# KiCad board [DFR1142]Lite Carrier for LattePanda Mu(V2).kicad_pcb (continued)
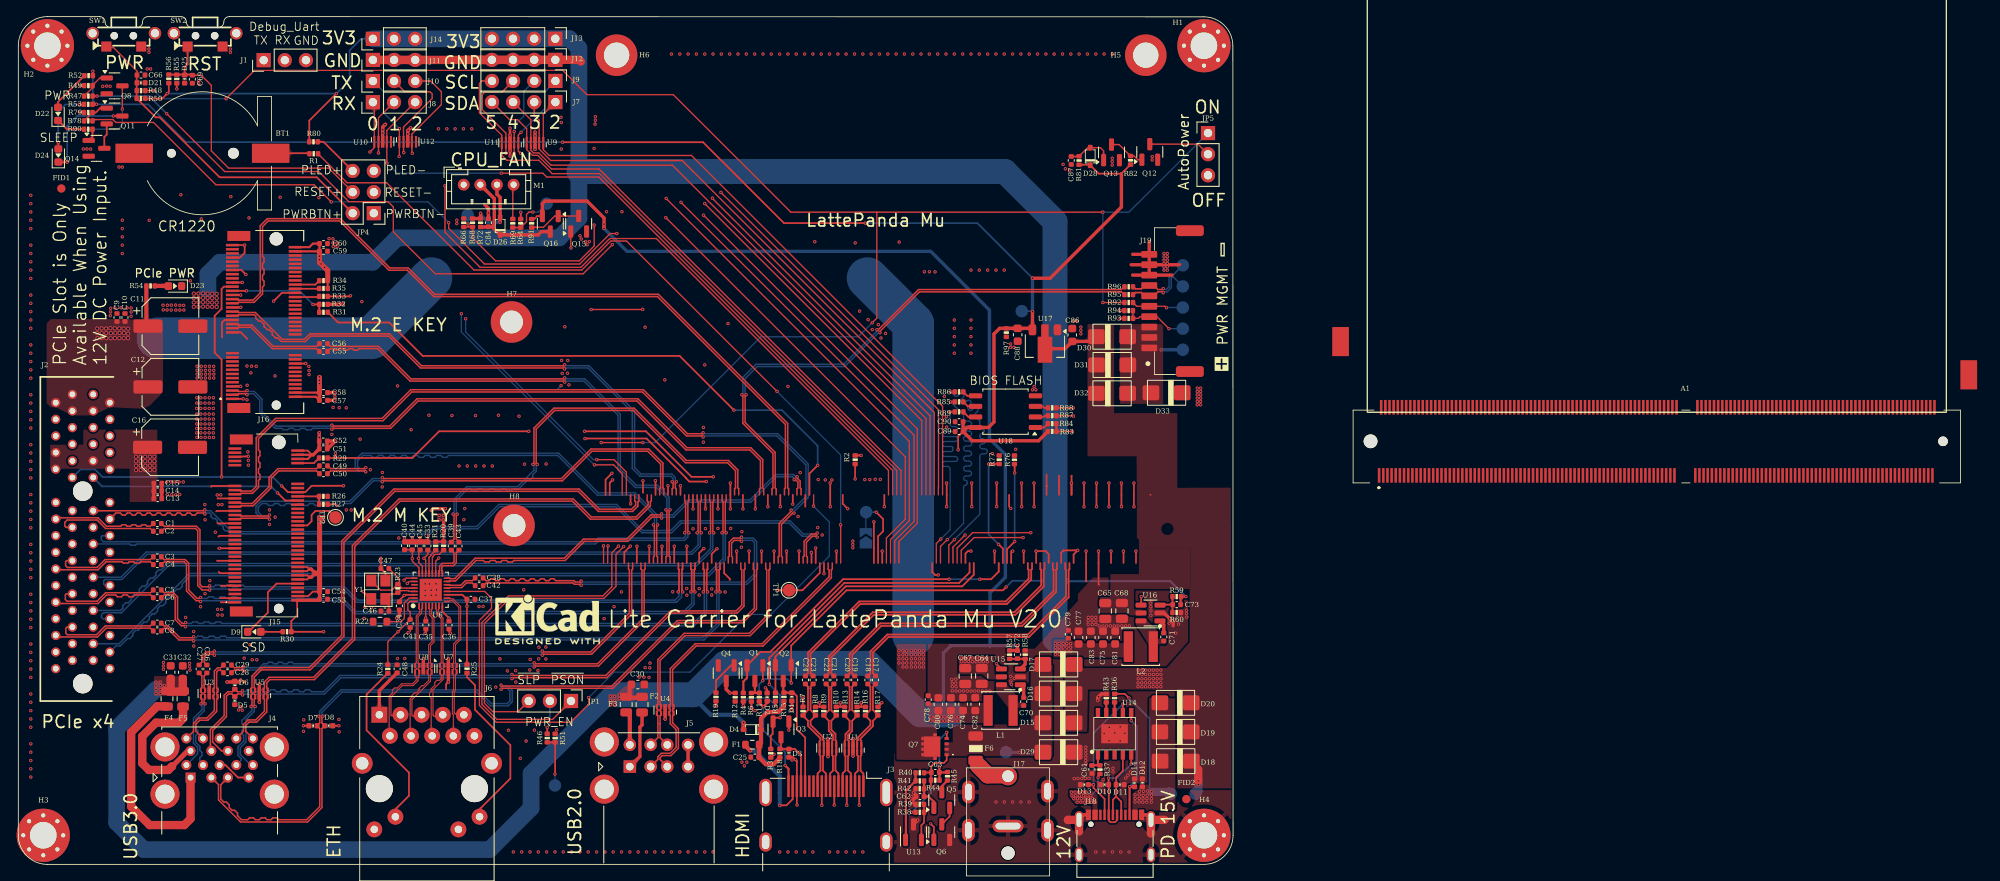
[diagram p0: board, top side]
## Routing (per net, layer and track width the routed paths; a pad name or vN(x,y) marks a point on that pad's centre or on a via; arc(x,y) is an arc through that point) (continued)
/LattePanda Module/HSIO_2_TX-: length 52.8
  Top w0.17: C50.1 37.19,47.01 37.52,47.34 41.65,47.34 v1(41.76,47.23) ; v1(76.84,40.85) 76.72,40.74 76.72,37.1 76.83,36.98 76.83,36.26
  Bottom w0.17: v1(41.76,47.23) 41.65,47.34 40.93,47.34 40.5,47.77 40.5,48.68 41.3,49.48 64.93,49.48 69.7,44.71 74.13,44.71 76.72,42.11 76.72,40.96 v1(76.84,40.85)
/LattePanda Module/HSIO_3_RX+: length 68.3
  Top w0.17: v1(78.58,46.04) 78.7,45.93 78.7,45.3 78.58,45.18 78.58,44.46 ; v1(65.66,59.61) 65.55,59.72 48.34,59.72 44.5,63.56 35.15,63.56 34.49,62.9 31.6,62.9 31.15,63.36 30.89,63.36 30.53,63.72 30.53,63.98 30.16,64.35 29.9,64.35 29.54,64.71 29.54,64.97 29.17,65.34 28.91,65.34 28.55,65.7 28.55,65.96 28.38,66.12 26.47,66.12 26.36,66.01 J16.41
  Bottom w0.17: v1(78.58,46.04) 78.7,46.15 78.7,46.43 78.43,46.69 74.73,46.69 73.79,47.63 73.79,54.41 68.48,59.72 65.77,59.72 v1(65.66,59.61)
/LattePanda Module/HSIO_3_RX-: length 68.3
  Top w0.17: 79.08,44.46 79.08,45.18 78.97,45.3 78.97,45.93 v1(79.09,46.04) ; J16.43 26.36,66.51 26.47,66.4 28.5,66.4 31.72,63.18 34.37,63.18 35.03,63.84 44.62,63.84 48.46,60 65.55,60 v1(65.66,60.11)
  Bottom w0.17: v1(65.66,60.11) 65.77,60 68.59,60 74.07,54.52 74.07,47.75 74.85,46.97 78.55,46.97 78.97,46.54 78.97,46.15 v1(79.09,46.04)
/LattePanda Module/HSIO_3_TX+: length 60.8
  Top w0.17: C55.1 37.19,61.72 37.52,62.05 37.75,62.05 37.93,61.87 38.35,61.87 38.53,62.05 38.95,62.05 39.13,61.87 39.55,61.87 39.73,62.05 40.15,62.05 40.33,61.87 40.75,61.87 40.93,62.05 43.18,62.05 47.08,58.14 65.56,58.14 v1(65.67,58.03) ; v1(77.83,42.66) 77.95,42.55 77.95,37.1 77.83,36.98 77.83,36.26
  Bottom w0.17: v1(77.83,42.66) 77.95,42.77 77.95,44.09 76.68,45.35 74.15,45.35 72.08,47.42 72.08,54.04 67.98,58.14 65.78,58.14 v1(65.67,58.03)
/LattePanda Module/HSIO_3_TX-: length 60.8
  Top w0.17: v1(78.34,42.66) 78.22,42.55 78.22,37.1 78.33,36.98 78.33,36.26 ; C56.1 37.19,62.65 37.52,62.32 43.29,62.32 47.2,58.42 65.56,58.42 v1(65.67,58.53)
  Bottom w0.17: v1(78.34,42.66) 78.22,42.77 78.22,44.2 76.8,45.63 74.27,45.63 72.36,47.54 72.36,54.16 68.1,58.42 65.78,58.42 v1(65.67,58.53)
/LattePanda Module/HSIO_8_RX+: length 77.2
  Top w0.17: 80.08,44.46 80.08,43.73 80.2,43.62 80.2,40 v1(80.08,39.89)
  Bottom w0.17: v1(80.08,39.89) 80.2,39.78 80.2,39.49 79.96,39.26 69.69,39.26 69.26,38.82 10.21,38.82 9.98,39.05 9.98,39.43 10.1,39.55 J2.A16
/LattePanda Module/HSIO_8_RX-: length 77.2
  Top w0.17: v1(80.59,39.89) 80.47,40 80.47,43.62 80.58,43.73 80.58,44.46
  Bottom w0.17: J2.A17 13.38,38.55 13.52,38.41 14.08,38.41 14.22,38.55 69.37,38.55 69.81,38.98 80.08,38.98 80.47,39.38 80.47,39.78 v1(80.59,39.89)
/LattePanda Module/HSIO_8_TX+: length 74.8
  Top w0.17: v1(23,33.51) 22.89,33.4 22.09,33.4 21.84,33.66 21.84,40.25 21.41,40.68 17.55,40.68 17.22,41.01 C1.1
  Top w0.201: 79.33,36.26 79.33,35.53 79.41,35.46 79.41,32.88 v1(79.31,32.78)
  Bottom w0.17: v1(23,33.51) 23.11,33.4 23.5,33.4 23.7,33.6 24.2,33.6 24.4,33.4 24.9,33.4 25.1,33.6 25.6,33.6 25.8,33.4 26.3,33.4 26.5,33.6 27,33.6 27.2,33.4 39.2,33.4 40.8,31.8 78.94,31.8 79.41,32.27 79.41,32.68 v1(79.31,32.78)
/LattePanda Module/HSIO_8_TX-: length 74.8
  Top w0.17: C2.1 17.22,40.08 17.55,40.41 21.3,40.41 21.56,40.14 21.56,33.54 22.09,33.01 v1(23,33.01)
  Top w0.201: v1(79.86,32.78) 79.76,32.88 79.76,35.46 79.83,35.53 79.83,36.26
  Bottom w0.17: v1(79.86,32.78) 79.71,32.63 79.71,32.14 79.16,31.59 79.11,31.59 79.05,31.53 40.69,31.53 39.09,33.13 23.11,33.13 v1(23,33.01)
/LattePanda Module/HSIO_9_RX+: length 80.5
  Top w0.17: 81.58,44.46 81.58,43.73 81.7,43.62 81.7,40 v1(81.58,39.89)
  Bottom w0.17: J2.A21 12.34,34.55 15.37,37.58 80.87,37.58 81.7,38.41 81.7,39.78 v1(81.58,39.89)
/LattePanda Module/HSIO_9_RX-: length 81
  Top w0.17: 82.08,44.46 82.08,43.73 81.97,43.62 81.97,40 v1(82.09,39.89)
  Bottom w0.17: J2.A22 10.41,33.55 10.26,33.7 10.26,34.12 10.42,34.28 12.45,34.28 15.48,37.31 80.98,37.31 81.97,38.3 81.97,39.78 v1(82.09,39.89)
/LattePanda Module/HSIO_9_TX+: length 74.4
  Top w0.17: C3.1 17.22,37 17.55,36.67 20.05,36.67 20.49,36.24 20.49,33.01 21.49,32 21.79,32 v1(21.9,32.11)
  Top w0.201: v1(80.83,32.78) 80.93,32.88 80.93,35.44 80.83,35.53 ; 80.91,35.46 80.83,35.53 ; 80.83,35.53 80.83,36.26
  Bottom w0.17: v1(80.83,32.78) 80.95,32.67 80.95,31.4 79.98,30.43 40.53,30.43 38.96,32 26.4,32 26.22,32.18 25.7,32.18 25.52,32 25,32 24.82,32.18 24.3,32.18 24.12,32 23.6,32 23.42,32.18 22.9,32.18 22.72,32 22.01,32 v1(21.9,32.11)
/LattePanda Module/HSIO_9_TX-: length 74.4
  Top w0.17: v1(21.9,31.61) 21.79,31.73 21.38,31.73 20.21,32.89 20.21,36.13 19.94,36.4 17.55,36.4 17.22,36.07 C4.1
  Top w0.201: 81.33,35.53 81.33,36.26 ; 81.33,35.53 81.26,35.46 ; 81.33,35.53 81.24,35.44 81.24,32.88 v1(81.34,32.78)
  Bottom w0.17: v1(81.34,32.78) 81.22,32.67 81.22,31.29 80.09,30.16 40.42,30.16 38.85,31.73 22.01,31.73 v1(21.9,31.61)
/LattePanda Module/HSIO_10_RX+: length 84.8
  Top w0.17: v1(83.08,39.89) 83.2,40 83.2,43.62 83.08,43.73 83.08,44.46
  Bottom w0.17: v1(83.08,39.89) 83.2,39.78 83.2,37.99 81.41,36.2 17.95,36.2 17.19,35.44 16.87,35.44 16.53,35.11 16.53,34.79 16.2,34.45 15.88,34.45 15.54,34.12 15.54,33.8 15.21,33.46 14.89,33.46 14.55,33.13 14.55,32.81 14.22,32.47 13.9,32.47 13.56,32.14 13.56,31.82 13.23,31.48 12.91,31.48 12.57,31.15 12.57,30.83 12.3,30.55 J2.A25
/LattePanda Module/HSIO_10_RX-: length 84.8
  Top w0.17: v1(83.59,39.89) 83.47,40 83.47,43.62 83.58,43.73 83.58,44.46
  Bottom w0.17: J2.A26 10.17,29.55 10,29.72 10,30.04 10.23,30.27 12.4,30.27 18.06,35.93 81.52,35.93 83.47,37.88 83.47,39.78 v1(83.59,39.89)
/LattePanda Module/HSIO_10_TX+: length 75.7
  Top w0.17: v1(20.1,29.1) 19.99,28.99 19.71,28.99 19.14,29.56 19.14,32.18 18.63,32.69 17.54,32.69 17.21,33.02 C5.1
  Top w0.201: 82.33,36.26 82.33,35.53 ; 82.33,35.53 82.43,35.44 82.43,32.88 v1(82.33,32.78) ; 82.33,35.53 82.41,35.46
  Bottom w0.17: v1(20.1,29.1) 20.21,28.99 20.78,28.99 20.97,29.17 21.48,29.17 21.67,28.99 22.18,28.99 22.37,29.17 22.88,29.17 23.07,28.99 23.58,28.99 23.77,29.17 24.28,29.17 24.47,28.99 81.11,28.99 82.45,30.32 82.45,32.67 v1(82.33,32.78)
/LattePanda Module/HSIO_10_TX-: length 75.7
  Top w0.17: C6.1 17.21,32.09 17.54,32.42 18.51,32.42 18.86,32.07 18.86,29.44 19.59,28.71 19.99,28.71 v1(20.1,28.6)
  Top w0.201: v1(82.84,32.78) 82.74,32.88 82.74,35.44 82.83,35.53 ; 82.83,36.26 82.83,35.53 ; 82.83,35.53 82.76,35.46
  Bottom w0.17: v1(20.1,28.6) 20.21,28.71 81.23,28.71 82.72,30.21 82.72,32.67 v1(82.84,32.78)
/LattePanda Module/HSIO_11_RX+: length 87.8
  Top w0.17: v1(84.58,39.89) 84.7,40 84.7,43.62 84.58,43.73 84.58,44.46
  Bottom w0.17: J2.A29 12.12,26.55 20.57,35.01 82.93,35.01 84.7,36.77 84.7,39.78 v1(84.58,39.89)
/LattePanda Module/HSIO_11_RX-: length 87.8
  Top w0.17: v1(85.09,39.89) 84.97,40 84.97,43.62 85.08,43.73 85.08,44.46
  Bottom w0.17: J2.A30 11.73,26.28 12.23,26.28 13.12,27.16 13.42,27.16 13.76,27.51 13.76,27.81 14.11,28.15 14.41,28.15 14.75,28.5 14.75,28.8 15.1,29.14 15.4,29.14 15.74,29.49 15.74,29.79 16.09,30.13 16.39,30.13 16.73,30.48 16.73,30.78 17.08,31.12 17.38,31.12 17.72,31.47 17.72,31.77 18.07,32.11 18.37,32.11 18.71,32.46 18.71,32.76 19.06,33.1 19.36,33.1 19.7,33.45 19.7,33.75 20.69,34.73 83.05,34.73 84.97,36.66 84.97,39.78 v1(85.09,39.89)
/LattePanda Module/HSIO_11_TX+: length 76.3
  Top w0.17: C7.1 17.21,29.02 17.54,28.69 18,28.69 19.42,27.27 20.96,27.27 v1(21.07,27.39)
  Top w0.201: 83.83,35.53 83.93,35.44 83.93,32.88 v1(83.83,32.78) ; 83.83,35.53 83.83,36.26 ; 83.83,35.53 83.91,35.46
  Bottom w0.17: v1(83.83,32.78) 83.95,32.67 83.95,28.93 82.29,27.27 25.07,27.27 24.89,27.45 24.37,27.45 24.19,27.27 23.67,27.27 23.49,27.45 22.97,27.45 22.79,27.27 22.27,27.27 22.09,27.45 21.57,27.45 21.39,27.27 21.19,27.27 v1(21.07,27.39)
/LattePanda Module/HSIO_11_TX-: length 76.3
  Top w0.17: v1(21.07,26.89) 20.96,27 19.31,27 17.89,28.42 17.54,28.42 17.21,28.09 C8.1
  Top w0.201: 84.33,35.53 84.26,35.46 ; 84.33,35.53 84.33,36.26 ; 84.33,35.53 84.24,35.44 84.24,32.88 v1(84.34,32.78)
  Bottom w0.17: v1(21.07,26.89) 21.19,27 82.4,27 84.22,28.82 84.22,32.67 v1(84.34,32.78)
/LattePanda Module/REFCLK0+: length 94.6
  Top w0.17: v1(92.88,42.62) 92.88,42.46 91.45,41.03 91.45,37.1 91.33,36.98 91.33,36.26 ; v1(82.31,51.43) 82.2,51.54 80.31,51.54 75.02,56.84 47.29,56.84 43.83,53.38 31.03,53.38 28.87,51.22 28.87,49.87 29.05,49.69 29.05,49.17 28.87,48.99 28.87,48.47 29.05,48.29 29.05,47.77 28.87,47.59 28.87,47.07 29.05,46.89 29.05,46.37 28.87,46.19 28.87,45.36 28.15,44.64 26.77,44.64 26.66,44.53 J15.53
  Bottom w0.17: v1(82.31,51.43) 82.42,51.54 91.17,51.54 94.66,48.05 94.66,44.25 93.04,42.62 v1(92.88,42.62)
/LattePanda Module/REFCLK0-: length 94.6
  Top w0.17: v1(93.23,42.27) 93.07,42.27 91.72,40.92 91.72,37.1 91.83,36.98 91.83,36.26 ; v1(82.31,51.93) 82.2,51.82 80.43,51.82 75.13,57.11 47.18,57.11 43.72,53.66 30.91,53.66 28.59,51.34 28.59,45.48 28.03,44.92 26.77,44.92 26.66,45.03 J15.55
  Bottom w0.17: v1(82.31,51.93) 82.42,51.82 91.29,51.82 94.94,48.17 94.94,44.13 93.23,42.43 v1(93.23,42.27)
/LattePanda Module/REFCLK2+: length 96.6
  Top w0.17: 94.33,36.26 94.33,36.98 94.45,37.1 94.45,38.87 95.33,39.76 95.91,39.76 v1(96.02,39.87) ; v1(22.42,42.66) 22.31,42.55 J2.A13
  Bottom w0.17: v1(96.02,39.87) 95.91,39.76 94.34,39.76 92.76,41.34 79.57,41.34 78.4,40.17 75.07,40.17 71.93,43.31 57.74,43.31 55.08,40.65 50.02,40.65 49.41,40.04 25.63,40.04 23.11,42.55 22.53,42.55 v1(22.42,42.66)
/LattePanda Module/REFCLK2-: length 96.6
  Top w0.17: 94.83,36.26 94.83,36.98 94.72,37.1 94.72,38.76 95.45,39.48 95.91,39.48 v1(96.02,39.37) ; J2.A14 11.73,42.28 12.25,42.28 12.5,42.03 12.85,42.03 13.1,42.28 13.45,42.28 13.7,42.03 14.05,42.03 14.3,42.28 14.65,42.28 14.9,42.03 15.25,42.03 15.5,42.28 15.85,42.28 16.1,42.03 16.45,42.03 16.7,42.28 17.05,42.28 17.3,42.03 17.65,42.03 17.9,42.28 18.25,42.28 18.5,42.03 18.85,42.03 19.1,42.28 19.45,42.28 19.7,42.03 20.05,42.03 20.3,42.28 20.65,42.28 20.9,42.03 21.25,42.03 21.5,42.28 22.31,42.28 v1(22.42,42.16)
  Bottom w0.17: v1(96.02,39.37) 95.91,39.48 94.22,39.48 92.64,41.06 79.69,41.06 78.52,39.89 74.95,39.89 71.81,43.03 57.86,43.03 55.2,40.37 50.14,40.37 49.53,39.76 25.51,39.76 25.14,40.13 24.86,40.13 24.64,40.36 24.64,40.64 24.41,40.87 24.13,40.87 23.9,41.1 23.9,41.38 23.67,41.61 23.39,41.61 23.16,41.83 23.16,42.11 23,42.28 22.53,42.28 v1(22.42,42.16)
/LattePanda Module/REFCLK3+: length 94.4
  Top w0.17: 92.08,44.46 92.08,45.18 92.2,45.3 92.2,52.93 76.82,68.31 49.92,68.31 46.75,71.49 44.54,71.49 38.61,77.42 30.04,77.42 29.35,76.73 29.35,73.15 29.53,72.97 29.53,72.45 29.35,72.27 29.35,71.75 29.53,71.57 29.53,71.05 29.35,70.87 29.35,70.35 29.53,70.17 29.53,69.65 29.35,69.47 29.35,68.63 28.34,67.62 26.47,67.62 26.36,67.51 J16.47
/LattePanda Module/REFCLK3-: length 94.4
  Top w0.17: 92.58,44.46 92.58,45.18 92.47,45.3 92.47,53.05 76.94,68.59 50.04,68.59 46.86,71.76 44.65,71.76 38.72,77.69 29.93,77.69 29.08,76.84 29.08,68.74 28.23,67.9 26.47,67.9 26.36,68.01 J16.49
/LattePanda Module/SPI_CLK: length 30.6
  Top w0.15: v1(111.67,39.08) 110.83,38.25 110.83,36.26 ; R85.2 v1(112.04,55.65)
  Bottom w0.15: v1(112.04,55.65) 113.61,54.08 113.61,53.63 arc(113.7,53.42) 113.91,53.33 114.27,53.33 arc(114.48,53.24) 114.57,53.03 arc(114.48,52.82) 114.27,52.73 113.91,52.73 arc(113.7,52.64) 113.61,52.43 arc(113.7,52.22) 113.91,52.13 114.27,52.13 arc(114.48,52.04) 114.57,51.83 arc(114.48,51.62) 114.27,51.53 113.91,51.53 arc(113.7,51.44) 113.61,51.23 arc(113.7,51.02) 113.91,50.93 114.27,50.93 arc(114.48,50.84) 114.57,50.63 arc(114.48,50.42) 114.27,50.33 113.91,50.33 arc(113.7,50.24) 113.61,50.03 arc(113.7,49.82) 113.91,49.73 114.27,49.73 arc(114.48,49.64) 114.57,49.43 arc(114.48,49.22) 114.27,49.13 113.91,49.13 arc(113.7,49.04) 113.61,48.83 arc(113.7,48.62) 113.91,48.53 114.27,48.53 arc(114.48,48.44) 114.57,48.23 arc(114.48,48.02) 114.27,47.93 113.91,47.93 arc(113.7,47.84) 113.61,47.63 arc(113.7,47.42) 113.91,47.33 114.27,47.33 arc(114.48,47.24) 114.57,47.03 arc(114.48,46.82) 114.27,46.73 113.91,46.73 arc(113.7,46.64) 113.61,46.43 arc(113.67,46.28) 113.83,46.21 arc(113.98,46.15) 114.04,46 114.04,45.83 arc(113.98,45.68) 113.83,45.61 arc(113.67,45.55) 113.61,45.4 113.61,41.03 v1(111.67,39.08)
/LattePanda Module/SPI_IO2: length 30.6
  Top w0.15: v1(126.8,54.92) 126.55,54.92 126.54,54.93 R88.2 ; 112.33,36.26 112.33,38.17 v1(113.79,39.63)
  In2.PWR w0.15: v1(113.79,39.63) 115.34,41.18 115.34,50.21 120.05,54.92 v1(126.8,54.92)
/LattePanda Module/SPI_IO3: length 30.6
  Top w0.15: 110.33,36.26 110.33,38.6 v1(110.87,39.14) ; v1(111.99,54.45) R89.2
  Bottom w0.15: v1(111.99,54.45) 111.99,52.98 arc(112.08,52.77) 112.29,52.68 112.6,52.68 arc(112.81,52.59) 112.9,52.38 arc(112.81,52.17) 112.6,52.08 111.38,52.08 arc(111.17,51.99) 111.08,51.78 arc(111.17,51.57) 111.38,51.48 112.6,51.48 arc(112.81,51.39) 112.9,51.18 arc(112.81,50.97) 112.6,50.88 111.38,50.88 arc(111.17,50.79) 111.08,50.58 arc(111.17,50.37) 111.38,50.28 112.16,50.28 arc(112.28,50.23) 112.32,50.11 112.32,49.84 arc(112.28,49.73) 112.16,49.68 111.38,49.68 arc(111.17,49.59) 111.08,49.38 arc(111.17,49.17) 111.38,49.08 112.6,49.08 arc(112.81,48.99) 112.9,48.78 arc(112.81,48.57) 112.6,48.48 111.38,48.48 arc(111.17,48.39) 111.08,48.18 arc(111.17,47.97) 111.38,47.88 111.69,47.88 arc(111.9,47.79) 111.99,47.58 111.99,40.26 v1(110.87,39.14)
/LattePanda Module/SPI_MISO/SPI_IO1: length 31.1
  Top w0.15: v1(121.69,39.91) 114.69,39.91 112.83,38.05 112.83,36.26 ; R87.2 126.77,53.98 v1(126.82,53.93)
  In2.PWR w0.15: v1(126.82,53.93) 127.39,53.36 127.39,50 arc(127.3,49.79) 127.09,49.7 126.93,49.7 arc(126.72,49.61) 126.63,49.4 arc(126.72,49.19) 126.93,49.1 127.09,49.1 arc(127.3,49.01) 127.39,48.8 127.39,45.61 v1(121.69,39.91)
/LattePanda Module/SPI_MOSI/SPI_IO0: length 30.6
  Top w0.15: 111.83,36.26 111.83,38.4 v1(112.52,39.09) ; R86.2 v1(112.06,56.85)
  Bottom w0.15: v1(112.06,56.85) 112.51,56.4 arc(112.72,56.31) 112.94,56.4 113.15,56.61 arc(113.36,56.7) 113.57,56.61 arc(113.66,56.4) 113.57,56.19 113.36,55.97 arc(113.27,55.76) 113.36,55.55 arc(113.57,55.46) 113.78,55.55 114,55.76 arc(114.21,55.85) 114.42,55.76 arc(114.51,55.55) 114.42,55.34 114.21,55.13 arc(114.12,54.91) 114.21,54.7 arc(114.42,54.61) 114.63,54.7 114.85,54.92 arc(115.06,55) 115.27,54.92 arc(115.36,54.7) 115.27,54.49 115.06,54.28 arc(114.97,54.06) 115.06,53.85 115.56,53.35 115.56,52.7 arc(115.64,52.52) 115.82,52.44 arc(116,52.36) 116.08,52.18 116.08,52.1 arc(116,51.92) 115.82,51.84 arc(115.64,51.76) 115.56,51.58 115.56,51.5 arc(115.65,51.29) 115.86,51.2 115.91,51.2 arc(116.13,51.11) 116.21,50.9 arc(116.13,50.69) 115.91,50.6 115.86,50.6 arc(115.65,50.51) 115.56,50.3 arc(115.65,50.09) 115.86,50 116.16,50 arc(116.38,49.91) 116.46,49.7 arc(116.38,49.49) 116.16,49.4 115.86,49.4 arc(115.65,49.31) 115.56,49.1 115.56,42.13 v1(112.52,39.09)
/LattePanda Module/SUSCLK_WIFI: length 100.3
  Top w0.2: v1(39.93,68.42) 39.85,68.34 R33.2 ; 102.83,36.26 102.83,38.09 102.83,38.1 v1(102.83,41.22) ; v1(61.35,52.11) 50.58,52.11 47.37,48.9 38.12,48.9 ; R29.2 38.12,48.9 ; 38.12,48.9 v1(38.12,49.46) ; v1(83.53,46.63) 80.91,46.63 75.43,52.11 v1(68.05,52.11)
  In2.PWR w0.2: v1(38.12,49.46) 38.12,49.59 40.87,52.34 40.87,67.48 v1(39.93,68.42) ; v1(102.83,41.22) 98.74,45.31 84.85,45.31 v1(83.53,46.63) ; v1(61.35,52.11) v1(68.05,52.11)
/LattePanda Module/USB_2_P7+: length 75.3
  Top w0.17: J16.3 26.36,56.51 26.47,56.62 27.38,56.62 v1(27.49,56.51) ; v1(37.69,52.35) 37.8,52.46 44.75,52.46 48.04,55.75 74.36,55.75 80.24,49.86 87.92,49.86 89.2,48.59 89.2,45.3 89.08,45.18 89.08,44.46
  Bottom w0.17: v1(37.69,52.35) 37.58,52.46 35.35,52.46 35.17,52.28 34.65,52.28 34.47,52.46 33.95,52.46 33.77,52.28 33.25,52.28 33.07,52.46 32.55,52.46 32.37,52.28 31.85,52.28 31.67,52.46 30.86,52.46 29.01,54.31 29.01,55.86 28.25,56.62 27.6,56.62 v1(27.49,56.51)
/LattePanda Module/USB_2_P7-: length 75.3
  Top w0.17: J16.5 26.36,57.01 26.47,56.9 27.38,56.9 v1(27.49,57.01) ; 89.58,44.46 89.58,45.18 89.47,45.3 89.47,48.7 88.04,50.14 80.36,50.14 74.47,56.02 47.93,56.02 44.64,52.74 37.8,52.74 v1(37.69,52.85)
  Bottom w0.17: v1(37.69,52.85) 37.58,52.74 30.98,52.74 29.29,54.43 29.29,55.98 28.37,56.9 27.6,56.9 v1(27.49,57.01)
/LattePanda Module/~{CLKREQ3}: length 71.9
  Top w0.2: 95.08,44.46 95.08,47.02 v1(96.07,48.01) ; 37.19,66.45 38.44,65.2 44.58,65.2 48.6,61.18 79.48,61.18 v1(86.01,54.65)
  Bottom w0.2: v1(86.01,54.65) 91.78,54.65 96.07,50.36 v1(96.07,48.01)
/LattePanda Module/~{PWR_SW}: length 220.8
  Top w0.15: v1(102.62,65.16) 103.18,65.72 103.18,78.45 103.2,78.47 ; R48.2 v1(16.29,93.1) ; R92.1 v1(130.35,67.6) ; v1(130.35,78.47) 103.2,78.47 ; 103.2,78.47 92.86,78.47 78.72,92.61 68.35,92.61 65.43,95.53 28.38,95.53 v1(24.97,92.12) ; v1(70.06,50.75) v1(75.07,50.75) ; 70.33,36.26 70.33,38.32 v1(70.33,38.33)
  In2.PWR w0.15: v1(70.33,38.33) 70.45,38.45 70.45,50.36 v1(70.06,50.75)
  Bottom w0.15: JP5.1 133.47,78.47 v1(130.35,78.47) v1(130.35,67.6) ; v1(102.62,65.16) 100.94,63.48 89.25,63.48 76.52,50.75 v1(75.07,50.75) ; v1(16.29,93.1) 17.27,92.12 v1(24.97,92.12)
/LattePanda Module/~{RST_SW}: length 91.4
  Top w0.15: 70.83,36.26 70.83,38.27 v1(70.88,38.32)
  Top w0.2: R55.2 v1(19.05,93.3)
  In2.PWR w0.15: v1(19.05,93.3) 30.88,93.3 37.97,86.21 37.97,83.47 39.28,82.16 41.05,82.16 41.47,81.74 41.47,80.22 42.02,79.67 43.75,79.67 44.41,79.01 44.41,77.34 52.38,69.37 52.38,63.76 54.2,61.94 59.65,61.94 70.88,50.71 v1(70.88,38.32)
/LattePanda Module/~{SPI_CS0}: length 31.1
  Top w0.15: R83.1 126.66,52.09 v1(126.67,52.08) ; v1(120.76,39.32) 114.87,39.32 113.33,37.78 113.33,36.26
  Top w0.2: R83.1 R84.2
  In2.PWR w0.15: v1(120.76,39.32) 120.76,39.9 125.4,44.54 125.4,46.95 arc(125.31,47.16) 125.1,47.25 124.86,47.25 arc(124.65,47.34) 124.56,47.55 arc(124.65,47.76) 124.86,47.85 125.1,47.85 arc(125.31,47.94) 125.4,48.15 arc(125.31,48.36) 125.1,48.45 124.86,48.45 arc(124.65,48.54) 124.56,48.75 arc(124.65,48.96) 124.86,49.05 125.1,49.05 arc(125.31,49.14) 125.4,49.35 arc(125.31,49.56) 125.1,49.65 124.86,49.65 arc(124.65,49.74) 124.56,49.95 arc(124.65,50.16) 124.86,50.25 125.1,50.25 arc(125.31,50.34) 125.4,50.55 125.4,50.81 v1(126.67,52.08)
/M.2 E&M Key/CON_PCIE_TX_0+: length 11.7
  Top w0.17: C55.2 36.17,61.72 35.84,62.05 30.53,62.05 27.95,64.62 26.47,64.62 26.36,64.51 J16.35
/M.2 E&M Key/CON_PCIE_TX_0-: length 11.7
  Top w0.17: C56.2 36.17,62.65 35.84,62.32 30.64,62.32 28.07,64.9 26.47,64.9 26.36,65.01 J16.37
/M.2 E&M Key/CON_PCIE_TX_1+: length 12.7
  Top w0.17: C49.2 36.17,47.95 35.84,47.62 31.2,47.62 30.14,46.56 30.14,45.45 28.11,43.42 26.77,43.42 26.66,43.53 J15.49
/M.2 E&M Key/CON_PCIE_TX_1-: length 12.7
  Top w0.17: C50.2 36.17,47.01 35.84,47.34 31.32,47.34 30.42,46.44 30.42,45.33 28.23,43.14 26.77,43.14 26.66,43.03 J15.47
/PCIe x4/PCIE30_TX0_N: length 12.7
  Top w0.17: J2.B15 5.74,40.55 5.59,40.7 5.59,41.15 5.87,41.43 9.46,41.43 10.48,40.41 15.87,40.41 16.2,40.08 C2.2
/PCIe x4/PCIE30_TX0_P: length 12.8
  Top w0.17: J2.B14 4.65,41.7 9.58,41.7 10.6,40.68 12.29,40.68 12.46,40.85 12.89,40.85 13.06,40.68 13.49,40.68 13.66,40.85 14.09,40.85 14.26,40.68 14.69,40.68 14.86,40.85 15.29,40.85 15.46,40.68 15.87,40.68 16.2,41.01 C1.2
/PCIe x4/PCIE30_TX1_N: length 12.6
  Top w0.17: C4.2 16.2,36.07 15.87,36.4 14.73,36.4 14.58,36.25 14.03,36.25 13.88,36.4 13.33,36.4 13.18,36.25 12.63,36.25 12.48,36.4 10.54,36.4 9.59,35.45 4.6,35.45 J2.B20
/PCIe x4/PCIE30_TX1_P: length 12.5
  Top w0.17: J2.B19 5.81,36.55 5.68,36.42 5.68,35.94 5.9,35.72 9.48,35.72 10.43,36.67 15.87,36.67 16.2,37 C3.2
/PCIe x4/PCIE30_TX2_N: length 12.7
  Top w0.17: C6.2 15.89,32.42 14.02,32.42 13.79,32.2 13.32,32.2 13.09,32.42 12.62,32.42 12.39,32.2 11.92,32.2 11.69,32.42 10.61,32.42 9.58,31.39 4.66,31.39 J2.B24
/PCIe x4/PCIE30_TX2_P: length 12.7
  Top w0.17: J2.B23 5.78,32.55 5.65,32.43 5.65,31.86 5.86,31.66 9.46,31.66 10.5,32.69 15.89,32.69 C5.2
/PCIe x4/PCIE30_TX3_N: length 12.4
  Top w0.17: C8.2 16.19,28.09 15.86,28.42 10.56,28.42 9.51,27.36 4.69,27.36 J2.B28
/PCIe x4/PCIE30_TX3_P: length 12.6
  Top w0.17: J2.B27 5.86,28.55 5.72,28.4 5.72,27.8 5.89,27.64 9.39,27.64 10.45,28.69 15.86,28.69 16.19,29.02 C7.2
/PSU/CC1: length 16.5
  Top w0.2: U14.7 v1(132.76,19.3) ; 130.56,6.45 130.56,7.87 129.23,9.2 v1(129.23,9.59) D13.2
  Bottom w0.2: v1(132.76,19.3) 129.23,15.77 v1(129.23,9.59)
/PSU/CC2: length 13
  Top w0.2: U14.6 133.76,17.3 v1(133.75,17.29)
  Top w0.25: D14.2 133.59,9.33 v1(133.57,9.35) 133.56,9.34 133.56,6.45
  Bottom w0.25: v1(133.75,17.29) 134.42,16.62 134.42,10.2 v1(133.57,9.35)
/PSU/CON_UPS_USB_DN: length 8.5
  Top w0.17: v1(137.61,68.77) 137.49,68.89 136.97,68.89 136.48,68.4 J19.6
  Top w0.2: J19.6 135.38,68.4 134.98,68.8 134.26,68.8 134.02,68.55 R95.2
  Bottom w0.17: v1(137.61,68.77) 137.72,68.89 138.08,68.89 138.58,69.38 138.58,70.57 138.68,70.67 138.83,70.67 TP16.1
/PSU/CON_UPS_USB_DP: length 8.5
  Top w0.17: J19.7 136.48,69.65 136.97,69.16 137.49,69.16 v1(137.61,69.28)
  Top w0.2: J19.7 135.38,69.65 134.98,69.25 134.26,69.25 134.02,69.49 R96.2
  Bottom w0.17: TP17.1 138.83,70.95 138.56,70.95 138.3,70.69 138.3,69.5 137.97,69.16 137.72,69.16 v1(137.61,69.28)
/PSU/POWER_SW: length 39.8
  Top w0.15: R50.1 14.23,94.94 C66.1 14.27,95.45 11.43,98.28 10.58,98.28
  Top w0.2: R50.1 16.51,89.88 16.99,89.88 24.2,82.67 35.87,82.67 JP4.4
/PSU/PWR_C_D+: length 9.2
  Top w0.2: 131.94,8.16 131.56,7.78 131.56,6.45 ; 131.94,8.16 132.56,7.55 132.56,6.45 ; 131.94,8.16 D11.2 131.94,10.45 132.76,11.27 U14.4
/PSU/PWR_C_D-: length 12
  Top w0.2: 132.06,6.45 132.06,5.31 131.82,5.07 131.27,5.07 131.06,5.28 131.06,9.57 D10.2 131.05,10.36 v1(131.03,10.38) ; v1(133.75,12.07) 133.76,12.08 U14.5
  Bottom w0.2: v1(133.75,12.07) 132.06,10.38 v1(131.03,10.38)
/PSU/PWR_EN: length 207.9
  Top w0.15: v1(66.42,74.16) 66.4,74.18 Q15.1 ; v1(75.05,66.78) 75.03,66.76 v1(68.84,66.76)
  Top w0.2: U15.4 117.56,24.12 v1(117.56,24.14) ; v1(134.96,32.23) 134.95,32.22 134.95,31.25 ; v1(64.5,10.86) 64.52,10.88 R51.2 R46.2
  In2.PWR w0.15: v1(75.05,66.78) 78.62,66.78 79.59,65.81 ; v1(68.84,66.76) 66.42,69.18 v1(66.42,74.16)
  In2.PWR w0.2: 79.59,65.81 85.18,60.22 130.88,60.22 134.96,56.14 v1(134.96,32.23) 124.69,32.23 117.56,25.1 v1(117.56,24.14) 118.12,23.58 118.12,17.28 112.08,11.24 112.08,6.36 110.05,4.33 106.38,4.33 105.1,5.61 66.14,5.61 64.5,7.25 v1(64.5,10.86)
  Bottom w0.15: TP9.1 v1(64.5,10.86)
/PSU/PWR_LED: length 5.7
  Top w0.2: JP4.6 36.68,86.94 R80.2
/PSU/RESET_SW: length 36
  Top w0.15: C69.1 21.98,94.95 23.2,93.73 23.2,85.85 25.28,83.77 37.31,83.77 JP4.5
  Top w0.2: C69.1 20.84,95.03 R56.1 ; D25.2 19.99,95.92 20.35,96.28 20.35,98.28
/PSU/UPS_STATE_LP: length 7.6
  Top w0.15: R94.1 R93.1 134.61,65.69 134.82,65.9 J19.4 136.85,65.9 v1(138.29,64.46)
  Bottom w0.15: v1(138.29,64.46) TP14.1
/PSU/UPS_SW_LP: length 6.3
  Top w0.15: v1(137.99,66.98) 137.82,67.15 J19.5 134.42,67.15 R92.2
  Bottom w0.15: TP15.1 138.01,67 v1(137.99,66.98)
/PSU/UPS_USB_DN: length 65.8
  Top w0.17: v1(103.56,63.97) 103.56,64.14 108.31,68.89 132.57,68.89 132.9,68.55 R95.1 ; 91.08,44.46 91.08,45.18 90.97,45.3 90.97,49.56 87.36,53.18 87.36,56.4 v1(87.47,56.51)